# Altium PCB AVALON2_21b.PcbDoc (part 7 of 7)
Units mil, origin at the board's own origin, x right, y up, seen from the top; angles counter-clockwise.
Board outline 5250 x 3000 mil, 4 copper layers (Top Layer, Mid-Layer 1, Mid-Layer 2, Bottom Layer); 460 components, 80 nets, 2011 pads, 1492 vias.
Unrouted connection lines stored in the file: 78.
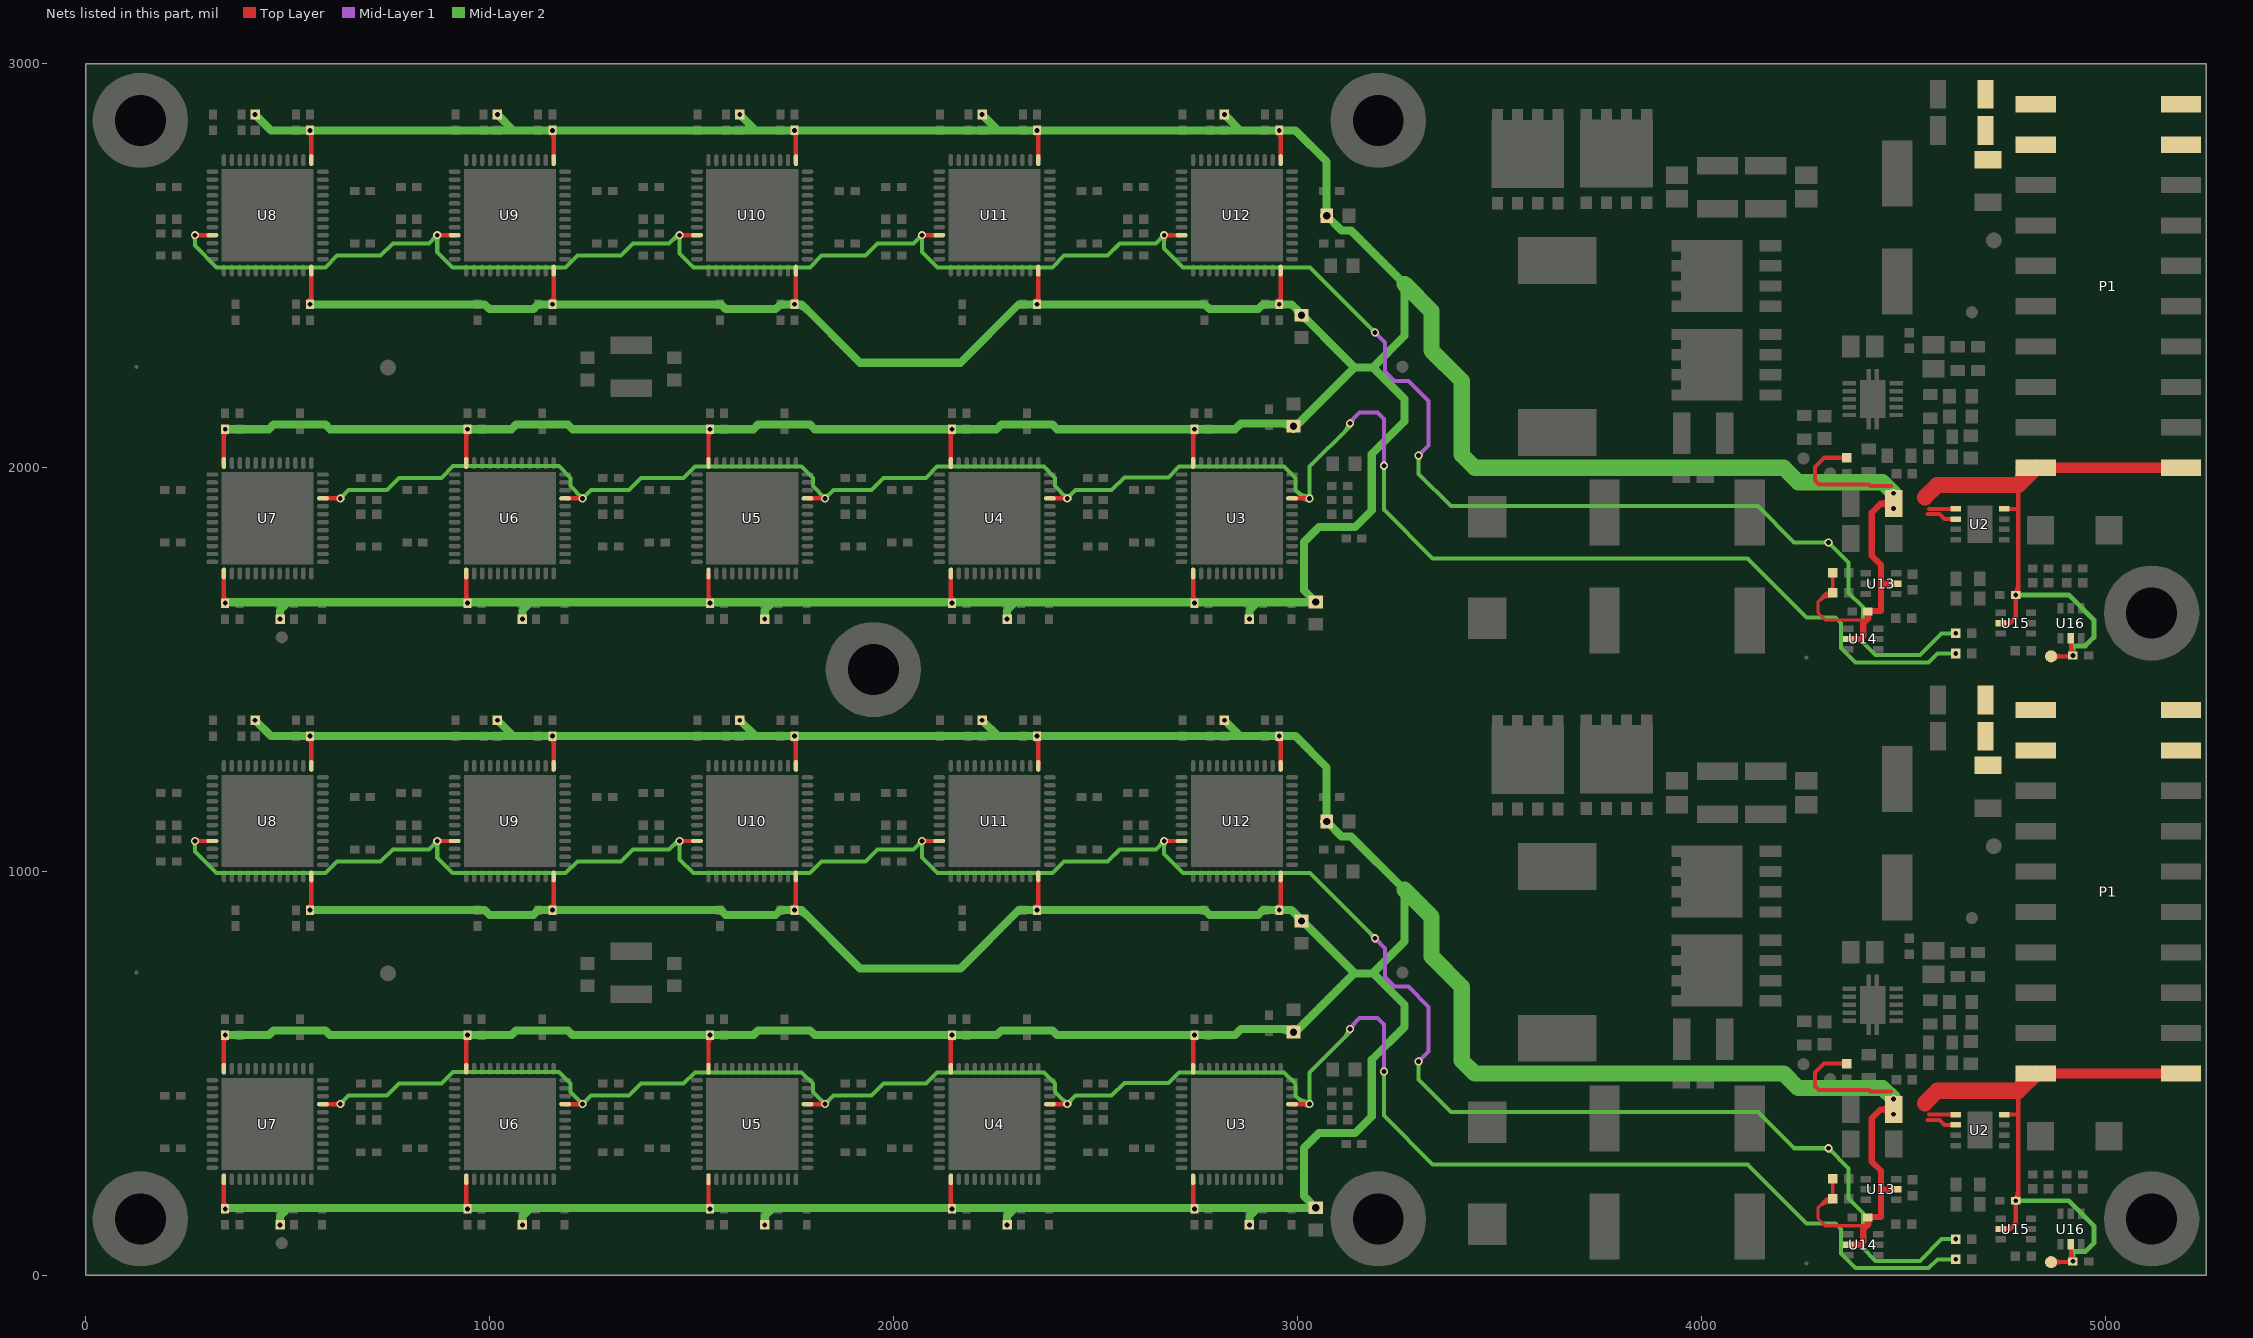
[diagram p9: the nets of this part, all layers, seen from the top]

## Via types
v1: diameter 32, hole 18, Top Layer to Bottom Layer, tented both sides, 846 vias
v2: diameter 20, hole 12, Top Layer to Bottom Layer, tented both sides, 458 vias
v3: diameter 20, hole 12, Top Layer to Bottom Layer, tented bottom, 154 vias
v4: diameter 50, hole 20, Top Layer to Bottom Layer, tented both sides, 16 vias
v5: diameter 23.62, hole 11.81, Top Layer to Bottom Layer, tented bottom, 10 vias
v6: diameter 25.98, hole 12.99, Top Layer to Bottom Layer, tented top, 4 vias
v7: diameter 20, hole 12, Top Layer to Bottom Layer, 4 vias

## Nets (pads, with @x,y where several pads share a name; then routed paths per layer and width w, separated by ;. In a path a pad name is that pad's centre, name@x,y a point inside that pad or via, vN(x,y) a via of type N, cw(c..) or ccw(c..) an arc to the next point about the centre after c; other vN are vias at no path point) (continued)
VCC3V3: 3P3V.1 C21.1 C34.2 C35.2 C36.2 C37.2 C60.2 C63.2 C66.2 C69.2 C82.2 C83.2 C84.2 C85.2 C108.2 C111.2 C114.2 C117.2 C124.2 C125.2 C126.2 C132.1 C137.1 C142.2 C145.2 C147.2 C148.2 C149.2 C150.2 P1.1 P1.2 R3.2 R12.2 R13.2 R14.2 R15.2 R16.2 R17.2 R18.2 R19.2 R20.2 R21.2 R23.2 R24.2 U2.1 U2.2 U2.8 U3.24 U3.37 U4.24 U4.37 U5.24 U5.37 U6.24 U6.37 U7.24 U7.37 U8.24 U8.37 U9.24 U9.37 U10.24 U10.37 U11.24 U11.37 U12.24 U12.37 U13.5 U14.5 U15.5 U16.5 | length 40770.8
  Top Layer w8: 4302.01,181.01 cw(c4324.22,158.8) R24.2@4325.32,190.19 ; 4302.01,1681.01 cw(c4324.22,1658.8) R24.2@4325.32,1690.19 ; R24.2@4318.75,185.77 ccw(c4311,180.79) 4311,190 ; R24.2@4318.75,194.23 cw(c4311,199.21) 4311,190 ; R24.2@4318.75,1685.77 ccw(c4311,1680.79) 4311,1690 ; R24.2@4318.75,1694.23 cw(c4311,1699.21) 4311,1690 ; R24.2@4319.79,195.52 ccw(c4306.46,208.86) 4325.31,208.86 ccw(c4344.17,208.86) R24.2@4330.84,195.52 ; R23.2@4319.79,234.48 cw(c4306.46,221.14) 4325.31,221.14 cw(c4344.17,221.14) R23.2@4330.84,234.48 ; R24.2@4319.79,1695.52 ccw(c4306.46,1708.86) 4325.31,1708.86 ccw(c4344.17,1708.86) R24.2@4330.84,1695.52 ; R23.2@4319.79,1734.48 cw(c4306.46,1721.14) 4325.31,1721.14 cw(c4344.17,1721.14) R23.2@4330.84,1734.48 ; R24.2@4325.04,182.19 ccw(c4323.34,133.67) 4289,168 ; R24.2@4325.04,1682.19 ccw(c4323.34,1633.67) 4289,1668 ; R23.2@4325.31,240 R24.2@4325.31,190 4311,190 ; R23.2@4325.31,1740 R24.2@4325.31,1690 4311,1690 ; 4410,123 4307,123 4289,141 4289,168 ; 4410,1623 4307,1623 4289,1641 4289,1668 ; 4289,168 4311,190 ; 4289,1668 4311,1690
  Top Layer w10: R3.2@4355.18,519.87 ccw(c4343.56,508.24) 4343.56,524.69 ccw(c4343.56,541.13) R3.2@4355.18,529.5 ; R3.2@4355.18,2019.87 ccw(c4343.56,2008.24) 4343.56,2024.69 ccw(c4343.56,2041.13) R3.2@4355.18,2029.5 ; R3.2@4360,524.69 4303.69,524.69 4281,502 4281,469 4291,459 4415,459 4419,455 4470,455 ; R3.2@4360,2024.69 4303.69,2024.69 4281,2002 4281,1969 4291,1959 4415,1959 4419,1955 4470,1955 ; 4560,385 4590,385 4602.2,372.8 U2.2@4629.96,372.8 ; 4560,1885 4590,1885 4602.2,1872.8 U2.2@4629.96,1872.8 ; 4563.39,398.39 U2.1@4629.96,398.39 ; 4563.39,1898.39 U2.1@4629.96,1898.39 ; U2.8@4750.04,398.39 4783.39,398.39 ; U2.8@4750.04,1898.39 4783.39,1898.39 ; 3P3V.1@4866,33 4918.32,33 v2(4920.31,35) 4915,40.31 U16.5@4915,77.6 ; 3P3V.1@4866,1533 4918.32,1533 v2(4920.31,1535) 4915,1540.31 U16.5@4915,1577.6 ; 3P3V.1@4873.07,25.93 cw(c4890.14,8.86) 4890.14,33 cw(c4890.14,57.14) 3P3V.1@4873.07,40.07 ; 3P3V.1@4873.07,1525.93 cw(c4890.14,1508.86) 4890.14,1533 cw(c4890.14,1557.14) 3P3V.1@4873.07,1540.07 ; 4901.83,33 ccw(c4901.83,51.52) C126.2@4914.92,38.42 ; 4901.83,1533 ccw(c4901.83,1551.52) C126.2@4914.92,1538.42 ; 4903.42,33 ccw(c4903.42,51.9) C126.2@4916.78,38.54 ; 4903.42,1533 ccw(c4903.42,1551.9) C126.2@4916.78,1538.54 ; 4915,54.77 ccw(c4938.12,54.77) C126.2@4921.77,38.42 ; 4915,59.9 ccw(c4945.22,59.9) C126.2@4923.85,38.54 ; 4915,1554.77 ccw(c4938.12,1554.77) C126.2@4921.77,1538.42 ; 4915,1559.9 ccw(c4945.22,1559.9) C126.2@4923.85,1538.54 ; C126.2@4916.22,37.88 ccw(c4909.06,42.92) 4916.65,47.3 ; C126.2@4916.22,1537.88 ccw(c4909.06,1542.92) 4916.65,1547.3
  Top Layer w11: C82.2@341.73,157.95 C82.2@341.73,167.95 ; 341.73,183.44 ccw(c363.75,183.44) C82.2@348.18,167.87 ; 341.73,185.03 ccw(c363.37,185.03) C82.2@348.07,169.72 ; U7.37@341.73,236.22 C82.2@341.73,167.95 ; U7.24@341.73,513.78 C108.2@341.73,602.05 ; 341.73,574.97 cw(c363.37,574.97) C108.2@348.07,590.28 ; 341.73,576.56 cw(c363.75,576.56) C108.2@348.18,592.13 ; C82.2@341.73,1657.95 C82.2@341.73,1667.95 ; 341.73,1683.44 ccw(c363.75,1683.44) C82.2@348.18,1667.87 ; 341.73,1685.03 ccw(c363.37,1685.03) C82.2@348.07,1669.72 ; U7.37@341.73,1736.22 C82.2@341.73,1667.95 ; U7.24@341.73,2013.78 C108.2@341.73,2102.05 ; 341.73,2074.97 cw(c363.37,2074.97) C108.2@348.07,2090.28 ; 341.73,2076.56 cw(c363.75,2076.56) C108.2@348.18,2092.13 ; C82.2@342.26,168.25 ccw(c338.22,173.52) 343.96,176.84 ; C108.2@342.26,591.75 cw(c338.22,586.48) 343.96,583.16 ; C82.2@342.26,1668.25 ccw(c338.22,1673.52) 343.96,1676.84 ; C108.2@342.26,2091.75 cw(c338.22,2086.48) 343.96,2083.16 ; v2(345,164.69) C82.2@341.73,167.95 ; v2(345,1664.69) C82.2@341.73,1667.95 ; C111.2@551.82,907.87 ccw(c536.25,923.44) 558.27,923.44 ; C83.2@551.82,1332.13 cw(c536.25,1316.56) 558.27,1316.56 ; C111.2@551.82,2407.87 ccw(c536.25,2423.44) 558.27,2423.44 ; C83.2@551.82,2832.13 cw(c536.25,2816.56) 558.27,2816.56 ; C111.2@551.93,909.72 ccw(c536.63,925.03) 558.27,925.03 ; C83.2@551.93,1330.28 cw(c536.63,1314.97) 558.27,1314.97 ; C111.2@551.93,2409.72 ccw(c536.63,2425.03) 558.27,2425.03 ; C83.2@551.93,2830.28 cw(c536.63,2814.97) 558.27,2814.97 ; v2(555,1335.31) 558.27,1332.05 U8.37@558.27,1263.78 ; v2(555,2835.31) 558.27,2832.05 U8.37@558.27,2763.78 ; 556.04,916.84 ccw(c561.78,913.52) C111.2@557.74,908.25 ; 556.04,1323.16 cw(c561.78,1326.48) C83.2@557.74,1331.75 ; 556.04,2416.84 ccw(c561.78,2413.52) C111.2@557.74,2408.25 ; 556.04,2823.16 cw(c561.78,2826.48) C83.2@557.74,2831.75 ; C111.2@558.27,904.68 U8.24@558.27,986.22 ; C111.2@558.27,2404.68 U8.24@558.27,2486.22 ; C37.2@941.73,157.95 C37.2@941.73,167.95 ; 941.73,183.44 ccw(c963.75,183.44) C37.2@948.18,167.87 ; 941.73,185.03 ccw(c963.37,185.03) C37.2@948.07,169.72 ; U6.37@941.73,236.22 C37.2@941.73,167.95 ; U6.24@941.73,511.81 C69.2@941.73,595.32 ; 941.73,574.97 cw(c963.37,574.97) C69.2@948.07,590.28 ; 941.73,576.56 cw(c963.75,576.56) C69.2@948.18,592.13 ; C37.2@941.73,1657.95 C37.2@941.73,1667.95 ; 941.73,1683.44 ccw(c963.75,1683.44) C37.2@948.18,1667.87 ; 941.73,1685.03 ccw(c963.37,1685.03) C37.2@948.07,1669.72 ; U6.37@941.73,1736.22 C37.2@941.73,1667.95 ; U6.24@941.73,2011.81 C69.2@941.73,2095.32 ; 941.73,2074.97 cw(c963.37,2074.97) C69.2@948.07,2090.28 ; 941.73,2076.56 cw(c963.75,2076.56) C69.2@948.18,2092.13 ; C37.2@942.26,168.25 ccw(c938.22,173.52) 943.96,176.84 ; C69.2@942.26,591.75 cw(c938.22,586.48) 943.96,583.16 ; C37.2@942.26,1668.25 ccw(c938.22,1673.52) 943.96,1676.84 ; C69.2@942.26,2091.75 cw(c938.22,2086.48) 943.96,2083.16 ; v2(945,164.69) C37.2@941.73,167.95 ; v2(945,1664.69) C37.2@941.73,1667.95 ; C114.2@1151.82,907.87 ccw(c1136.25,923.44) 1158.27,923.44 ; C84.2@1151.82,1332.13 cw(c1136.25,1316.56) 1158.27,1316.56 ; C114.2@1151.82,2407.87 ccw(c1136.25,2423.44) 1158.27,2423.44 ; C84.2@1151.82,2832.13 cw(c1136.25,2816.56) 1158.27,2816.56 ; C114.2@1151.93,909.72 ccw(c1136.63,925.03) 1158.27,925.03 ; C84.2@1151.93,1330.28 cw(c1136.63,1314.97) 1158.27,1314.97 ; C114.2@1151.93,2409.72 ccw(c1136.63,2425.03) 1158.27,2425.03 ; C84.2@1151.93,2830.28 cw(c1136.63,2814.97) 1158.27,2814.97 ; v2(1155,1335.31) 1158.27,1332.05 U9.37@1158.27,1263.78 ; v2(1155,2835.31) 1158.27,2832.05 U9.37@1158.27,2763.78 ; 1156.04,916.84 ccw(c1161.78,913.52) C114.2@1157.74,908.25 ; 1156.04,1323.16 cw(c1161.78,1326.48) C84.2@1157.74,1331.75 ; 1156.04,2416.84 ccw(c1161.78,2413.52) C114.2@1157.74,2408.25 ; 1156.04,2823.16 cw(c1161.78,2826.48) C84.2@1157.74,2831.75 ; C114.2@1158.27,904.69 U9.24@1158.27,988.19 ; C114.2@1158.27,2404.69 U9.24@1158.27,2488.19 ; C36.2@1541.73,157.95 C36.2@1541.73,167.95 ; 1541.73,183.44 ccw(c1563.75,183.44) C36.2@1548.18,167.87 ; 1541.73,185.03 ccw(c1563.37,185.03) C36.2@1548.07,169.72 ; U5.37@1541.73,236.22 C36.2@1541.73,167.95 ; U5.24@1541.73,511.81 C66.2@1541.73,595.32 ; 1541.73,574.97 cw(c1563.37,574.97) C66.2@1548.07,590.28 ; 1541.73,576.56 cw(c1563.75,576.56) C66.2@1548.18,592.13 ; C36.2@1541.73,1657.95 C36.2@1541.73,1667.95 ; 1541.73,1683.44 ccw(c1563.75,1683.44) C36.2@1548.18,1667.87 ; 1541.73,1685.03 ccw(c1563.37,1685.03) C36.2@1548.07,1669.72 ; U5.37@1541.73,1736.22 C36.2@1541.73,1667.95 ; U5.24@1541.73,2011.81 C66.2@1541.73,2095.32 ; 1541.73,2074.97 cw(c1563.37,2074.97) C66.2@1548.07,2090.28 ; 1541.73,2076.56 cw(c1563.75,2076.56) C66.2@1548.18,2092.13 ; C36.2@1542.26,168.25 ccw(c1538.22,173.52) 1543.96,176.84 ; C66.2@1542.26,591.75 cw(c1538.22,586.48) 1543.96,583.16 ; C36.2@1542.26,1668.25 ccw(c1538.22,1673.52) 1543.96,1676.84 ; C66.2@1542.26,2091.75 cw(c1538.22,2086.48) 1543.96,2083.16 ; v2(1545,164.69) C36.2@1541.73,167.95 ; v2(1545,1664.69) C36.2@1541.73,1667.95 ; C117.2@1751.82,907.87 ccw(c1736.25,923.44) 1758.27,923.44 ; C85.2@1751.82,1332.13 cw(c1736.25,1316.56) 1758.27,1316.56 ; C117.2@1751.82,2407.87 ccw(c1736.25,2423.44) 1758.27,2423.44 ; C85.2@1751.82,2832.13 cw(c1736.25,2816.56) 1758.27,2816.56 ; C117.2@1751.93,909.72 ccw(c1736.63,925.03) 1758.27,925.03 ; C85.2@1751.93,1330.28 cw(c1736.63,1314.97) 1758.27,1314.97 ; C117.2@1751.93,2409.72 ccw(c1736.63,2425.03) 1758.27,2425.03 ; C85.2@1751.93,2830.28 cw(c1736.63,2814.97) 1758.27,2814.97 ; v2(1755,1335.31) 1758.27,1332.05 U10.37@1758.27,1263.78 ; v2(1755,2835.31) 1758.27,2832.05 U10.37@1758.27,2763.78 ; 1756.04,916.84 ccw(c1761.78,913.52) C117.2@1757.74,908.25 ; 1756.04,1323.16 cw(c1761.78,1326.48) C85.2@1757.74,1331.75 ; 1756.04,2416.84 ccw(c1761.78,2413.52) C117.2@1757.74,2408.25 ; 1756.04,2823.16 cw(c1761.78,2826.48) C85.2@1757.74,2831.75 ; C117.2@1758.27,904.69 U10.24@1758.27,976.73 ; C117.2@1758.27,2404.69 U10.24@1758.27,2476.73 ; 2141.73,183.44 ccw(c2163.75,183.44) C35.2@2148.18,167.87 ; 2141.73,185.18 ccw(c2163.37,185.18) C35.2@2148.07,169.88 ; U4.37@2141.73,226.72 2141.73,167.95 v2(2145,164.69) ; U4.24@2141.73,511.81 C63.2@2141.73,595.32 ; 2141.73,574.97 cw(c2163.37,574.97) C63.2@2148.07,590.28 ; 2141.73,576.56 cw(c2163.75,576.56) C63.2@2148.18,592.13 ; 2141.73,1683.44 ccw(c2163.75,1683.44) C35.2@2148.18,1667.87 ; 2141.73,1685.18 ccw(c2163.37,1685.18) C35.2@2148.07,1669.88 ; U4.37@2141.73,1726.72 2141.73,1667.95 v2(2145,1664.69) ; U4.24@2141.73,2011.81 C63.2@2141.73,2095.32 ; 2141.73,2074.97 cw(c2163.37,2074.97) C63.2@2148.07,2090.28 ; 2141.73,2076.56 cw(c2163.75,2076.56) C63.2@2148.18,2092.13 ; C35.2@2142.26,168.25 ccw(c2138.16,173.59) 2143.99,176.95 ; C63.2@2142.26,591.75 cw(c2138.22,586.48) 2143.96,583.16 ; C35.2@2142.26,1668.25 ccw(c2138.16,1673.59) 2143.99,1676.95 ; C63.2@2142.26,2091.75 cw(c2138.22,2086.48) 2143.96,2083.16 ; C142.2@2351.82,907.87 ccw(c2336.25,923.44) 2358.27,923.44 ; C124.2@2351.82,1332.13 cw(c2336.25,1316.56) 2358.27,1316.56 ; C142.2@2351.82,2407.87 ccw(c2336.25,2423.44) 2358.27,2423.44 ; C124.2@2351.82,2832.13 cw(c2336.25,2816.56) 2358.27,2816.56 ; C142.2@2351.93,909.72 ccw(c2336.63,925.03) 2358.27,925.03 ; C124.2@2351.93,1330.28 cw(c2336.63,1314.97) 2358.27,1314.97 ; C142.2@2351.93,2409.72 ccw(c2336.63,2425.03) 2358.27,2425.03 ; C124.2@2351.93,2830.28 cw(c2336.63,2814.97) 2358.27,2814.97 ; v2(2355,1335.31) 2358.27,1332.05 U11.37@2358.27,1263.78 ; v2(2355,2835.31) 2358.27,2832.05 U11.37@2358.27,2763.78 ; 2356.04,916.84 ccw(c2361.78,913.52) C142.2@2357.74,908.25 ; 2356.04,1323.16 cw(c2361.78,1326.48) C124.2@2357.74,1331.75 ; 2356.04,2416.84 ccw(c2361.78,2413.52) C142.2@2357.74,2408.25 ; 2356.04,2823.16 cw(c2361.78,2826.48) C124.2@2357.74,2831.75 ; C142.2@2358.27,904.69 U11.24@2358.27,976.73 ; C142.2@2358.27,2404.69 U11.24@2358.27,2476.73 ; C34.2@2741.73,157.95 C34.2@2741.73,167.95 ; 2741.73,183.44 ccw(c2763.75,183.44) C34.2@2748.18,167.87 ; 2741.73,185.03 ccw(c2763.37,185.03) C34.2@2748.07,169.72 ; U3.37@2741.73,236.22 C34.2@2741.73,167.95 ; U3.24@2741.73,511.81 C60.2@2741.73,595.31 ; 2741.73,574.97 cw(c2763.37,574.97) C60.2@2748.07,590.28 ; 2741.73,576.56 cw(c2763.75,576.56) C60.2@2748.18,592.13 ; C34.2@2741.73,1657.95 C34.2@2741.73,1667.95 ; 2741.73,1683.44 ccw(c2763.75,1683.44) C34.2@2748.18,1667.87 ; 2741.73,1685.03 ccw(c2763.37,1685.03) C34.2@2748.07,1669.72 ; U3.37@2741.73,1736.22 C34.2@2741.73,1667.95 ; U3.24@2741.73,2011.81 C60.2@2741.73,2095.31 ; 2741.73,2074.97 cw(c2763.37,2074.97) C60.2@2748.07,2090.28 ; 2741.73,2076.56 cw(c2763.75,2076.56) C60.2@2748.18,2092.13 ; C34.2@2742.26,168.25 ccw(c2738.22,173.52) 2743.96,176.84 ; C60.2@2742.26,591.75 cw(c2738.22,586.48) 2743.96,583.16 ; C34.2@2742.26,1668.25 ccw(c2738.22,1673.52) 2743.96,1676.84 ; C60.2@2742.26,2091.75 cw(c2738.22,2086.48) 2743.96,2083.16 ; v2(2745,164.69) C34.2@2741.73,167.95 ; v2(2745,1664.69) C34.2@2741.73,1667.95 ; C145.2@2951.82,907.87 ccw(c2936.25,923.44) 2958.27,923.44 ; C125.2@2951.82,1332.13 cw(c2936.25,1316.56) 2958.27,1316.56 ; C145.2@2951.82,2407.87 ccw(c2936.25,2423.44) 2958.27,2423.44 ; C125.2@2951.82,2832.13 cw(c2936.25,2816.56) 2958.27,2816.56 ; C145.2@2951.93,909.72 ccw(c2936.63,925.03) 2958.27,925.03 ; C125.2@2951.93,1330.28 cw(c2936.63,1314.97) 2958.27,1314.97 ; C145.2@2951.93,2409.72 ccw(c2936.63,2425.03) 2958.27,2425.03 ; C125.2@2951.93,2830.28 cw(c2936.63,2814.97) 2958.27,2814.97 ; v2(2955,1335.31) C125.2@2958.27,1332.05 ; v2(2955,2835.31) C125.2@2958.27,2832.05 ; 2956.04,916.84 ccw(c2961.78,913.52) C145.2@2957.74,908.25 ; 2956.04,1323.16 cw(c2961.78,1326.48) C125.2@2957.74,1331.75 ; 2956.04,2416.84 ccw(c2961.78,2413.52) C145.2@2957.74,2408.25 ; 2956.04,2823.16 cw(c2961.78,2826.48) C125.2@2957.74,2831.75 ; C145.2@2958.27,904.69 U12.24@2958.27,976.73 ; U12.37@2958.27,1263.78 C125.2@2958.27,1332.05 ; C125.2@2958.27,1335.31 C125.2@2958.27,1332.05 ; C145.2@2958.27,2404.69 U12.24@2958.27,2476.73 ; U12.37@2958.27,2763.78 C125.2@2958.27,2832.05 ; C125.2@2958.27,2835.31 C125.2@2958.27,2832.05
  Top Layer w12: U15.5@4741.6,115 4764,115 4778.68,129.68 v2(4778.68,185) 4785,191.31 4785,457.17 ; U15.5@4741.6,1615 4764,1615 4778.68,1629.68 v2(4778.68,1685) 4785,1691.31 4785,1957.17 ; C137.1@4775.86,187.83 ccw(c4753.78,209.9) 4785,209.9 ; C137.1@4775.86,1687.83 ccw(c4753.78,1709.9) 4785,1709.9 ; C137.1@4777.94,187.72 ccw(c4760.88,204.77) 4785,204.77 ; C137.1@4777.94,1687.72 ccw(c4760.88,1704.77) 4785,1704.77 ; C137.1@4782.48,186.28 cw(c4795.49,190.66) 4783.6,197.52 ; C137.1@4782.48,1686.28 cw(c4795.49,1690.66) 4783.6,1697.52
  Top Layer w15: U14.5@4363.6,76 4394,76 4401,83 4401,114 4410,123 4413.69,126.69 4413.69,145 4445.32,145 4445.32,203.32 ; U14.5@4363.6,1576 4394,1576 4401,1583 4401,1614 4410,1623 4413.69,1626.69 4413.69,1645 4445.32,1645 4445.32,1703.32 ; C21.1@4465.71,401.44 ccw(c4444,381.57) 4444,411 ; C21.1@4465.71,420.56 cw(c4444,440.43) 4444,411 ; C21.1@4465.71,1901.44 ccw(c4444,1881.57) 4444,1911 ; C21.1@4465.71,1920.56 cw(c4444,1940.43) 4444,1911 ; C21.1@4474.12,397.35 ccw(c4444,370.94) 4444,411 ; C21.1@4474.12,1897.35 ccw(c4444,1870.94) 4444,1911 ; C21.1@4476.15,411 4444,411 ; C21.1@4476.15,1911 4444,1911 ; U13.5@4482.4,213 4455,213 4445.32,203.32 ; U13.5@4482.4,1713 4455,1713 4445.32,1703.32 ; 4444,411 4422,389 4422,282 4445.32,258.68 4445.32,203.32 ; 4444,1911 4422,1889 4422,1782 4445.32,1758.68 4445.32,1703.32
  Top Layer w25: P1.2@4827.83,500 P1.1@5155,500 ; P1.2@4827.83,2000 P1.1@5155,2000
  Top Layer w40: 4553.5,426.5 4584.17,457.17 4785,457.17 ; 4553.5,1926.5 4584.17,1957.17 4785,1957.17 ; P1.2@4797.95,499.98 cw(c4751.5,490.67) 4785,457.17 ; P1.2@4797.95,1999.98 cw(c4751.5,1990.67) 4785,1957.17 ; P1.2@4827.83,500 4785,457.17 ; P1.2@4827.83,2000 4785,1957.17
  Mid-Layer 2 w12: v2(4778.68,185) 4910,185 4972,123 4972,80.06 4950.94,59 4922,59 4920.31,57.31 v2(4920.31,35) ; v2(4778.68,1685) 4910,1685 4972,1623 4972,1580.06 4950.94,1559 4922,1559 4920.31,1557.31 v2(4920.31,1535)
  Mid-Layer 2 w20: v2(345,595.32) 453.07,595.32 464.44,606.69 593.31,606.69 604.68,595.32 v2(945,595.32) 1053.7,595.32 1065.07,606.69 1193.31,606.69 1204.68,595.32 v2(1545,595.32) 1653.07,595.32 1664.44,606.69 1741.6,606.69 1741.91,607 1793,607 1804.68,595.32 v2(2145,595.32) 2255.32,595.32 2266.69,606.69 2393.31,606.69 2404.69,595.31 v2(2745,595.31) 2845.31,595.31 2859.89,609.89 3003,609.89 3141.61,748.5 ; v2(345,2095.32) 453.07,2095.32 464.44,2106.69 593.31,2106.69 604.68,2095.32 v2(945,2095.32) 1053.7,2095.32 1065.07,2106.69 1193.31,2106.69 1204.68,2095.32 v2(1545,2095.32) 1653.07,2095.32 1664.44,2106.69 1741.6,2106.69 1741.91,2107 1793,2107 1804.68,2095.32 v2(2145,2095.32) 2255.32,2095.32 2266.69,2106.69 2393.31,2106.69 2404.69,2095.31 v2(2745,2095.31) 2845.31,2095.31 2859.89,2109.89 3003,2109.89 3141.61,2248.5 ; v2@347.31,167 1701,167 ; v2@347.31,1667 1701,1667 ; v2(419,1374.69) 458.37,1335.31 1058.37,1335.31 ; v2(419,2874.69) 458.37,2835.31 1058.37,2835.31 ; v2(481,125.32) 481,147 501,167 ; v2(481,1625.32) 481,1647 501,1667 ; v2(555,904.68) 987.31,904.68 999,893 1108.09,893 1119.77,904.69 v2(1155,904.69) 1572.31,904.69 1584,893 1708.09,893 1719.77,904.69 v2(1755,904.69) ; v2(555,2404.68) 987.31,2404.68 999,2393 1108.09,2393 1119.77,2404.69 v2(1155,2404.69) 1572.31,2404.69 1584,2393 1708.09,2393 1719.77,2404.69 v2(1755,2404.69) ; v2(1019,1374.69) 1058.37,1335.31 ; v2(1019,2874.69) 1058.37,2835.31 ; v2(1081,125.32) 1081,147 1101,167 ; v2(1081,1625.32) 1081,1647 1101,1667 ; v2(1619,1374.69) 1658.37,1335.31 ; v2(1619,2874.69) 1658.37,2835.31 ; v2(1681,125.31) 1681,147 1701,167 ; v2(1681,1625.31) 1681,1647 1701,1667 ; 1784.87,892.31 ccw(c1755,862.44) v2(1755,904.69) ; 1784.87,2392.31 ccw(c1755,2362.44) v2(1755,2404.69) ; v2(2219,1374.69) 2258.37,1335.31 ; v2(2219,2874.69) 2258.37,2835.31 ; v2(2281,125.32) 2281,147 2301,167 ; v2(2281,1625.32) 2281,1647 2301,1667 ; v2(2819,1374.69) 2858.37,1335.31 ; v2(2819,2874.69) 2858.37,2835.31 ; v2(2881,125.31) 2881,147 2901,167 ; v2(2881,1625.31) 2881,1647 2901,1667 ; 2957.53,609.89 cw(c2957.53,569.97) v1@2985.76,598.2 ; 2957.53,2109.89 cw(c2957.53,2069.97) v1@2985.76,2098.2 ; v1@2990,608.44 ccw(c2990,636.33) 3009.72,616.61 ; v1@2990,2108.44 ccw(c2990,2136.33) 3009.72,2116.61 ; 2997.95,892.16 cw(c2983.36,877.56) v1@3004,877.56 ; 2997.95,2392.16 cw(c2983.36,2377.56) v1@3004,2377.56 ; v1@3010,871.56 cw(c3010,850.92) 3024.6,865.51 ; v1@3010,2371.56 cw(c3010,2350.92) 3024.6,2365.51 ; 1058.37,1335.31 1658.37,1335.31 ; 1058.37,2835.31 1658.37,2835.31 ; 1658.37,1335.31 2258.37,1335.31 ; 1658.37,2835.31 2258.37,2835.31 ; 1701,167 2901,167 ; 1701,1667 2901,1667 ; v2(1755,904.69) 1772.5,904.69 1917.19,760 2165.31,760 2310,904.69 v2(2355,904.69) 2770.23,904.69 2781.91,893 2903,893 2914.69,904.69 v2(2955,904.69) 2985.42,904.69 3141.61,748.5 ; v2(1755,2404.69) 1772.5,2404.69 1917.19,2260 2165.31,2260 2310,2404.69 v2(2355,2404.69) 2770.23,2404.69 2781.91,2393 2903,2393 2914.69,2404.69 v2(2955,2404.69) 2985.42,2404.69 3141.61,2248.5 ; 2258.37,1335.31 2858.37,1335.31 ; 2258.37,2835.31 2858.37,2835.31 ; 2858.37,1335.31 2995,1335.31 3072.44,1257.87 v1(3072.44,1124) 3109.44,1087 3133,1087 3265,955 3265,826.75 3186.75,748.5 ; 2858.37,2835.31 2995,2835.31 3072.44,2757.87 v1(3072.44,2624) 3109.44,2587 3133,2587 3265,2455 3265,2326.75 3186.75,2248.5 ; 2901,167 3044.44,167 v1(3045,167.56) 3016,196.56 3016,316 3053,353 3143,353 3184,394 3184,534 3265,615 3265,670.25 3186.75,748.5 ; 2901,1667 3044.44,1667 v1(3045,1667.56) 3016,1696.56 3016,1816 3053,1853 3143,1853 3184,1894 3184,2034 3265,2115 3265,2170.25 3186.75,2248.5 ; 3141.61,748.5 3142.11,748 3186.25,748 3186.75,748.5 ; 3141.61,2248.5 3142.11,2248 3186.25,2248 3186.75,2248.5
  Mid-Layer 2 w40: 3265,955 3332,888 3332,790 3407,715 3407,532 3439,500 4204,500 4240,464 4449,464 v2(4476,437) v2(4476,399) ; 3265,2455 3332,2388 3332,2290 3407,2215 3407,2032 3439,2000 4204,2000 4240,1964 4449,1964 v2(4476,1937) v2(4476,1899)
  other v1: 2990,602.44 3010,877.56 2990,2102.44 3010,2377.56
VCC12V: C4.2 FB1.2 FB2.2 P1.17 P1.18 P1.19 P1.20
XCLK1: R26.1 U3.9 U4.9 U5.9 U6.9 U7.9 | length 10996.6
  Top Layer w11: U7.9@588.78,424.21 v3(630,424.21) ; U7.9@588.78,1924.21 v3(630,1924.21) ; v3@626.82,421.03 ccw(c619.14,413.35) 619.14,424.21 ccw(c619.14,435.08) v3@626.82,427.39 ; v3@626.82,1921.03 ccw(c619.14,1913.35) 619.14,1924.21 ccw(c619.14,1935.08) v3@626.82,1927.39 ; U6.9@1188.78,424.21 v3(1230,424.21) ; U6.9@1188.78,1924.21 v3(1230,1924.21) ; v3@1226.82,421.03 ccw(c1219.14,413.35) 1219.14,424.21 ccw(c1219.14,435.08) v3@1226.82,427.39 ; v3@1226.82,1921.03 ccw(c1219.14,1913.35) 1219.14,1924.21 ccw(c1219.14,1935.08) v3@1226.82,1927.39 ; U5.9@1788.78,424.21 v3(1830,424.21) ; U5.9@1788.78,1924.21 v3(1830,1924.21) ; v3@1826.82,421.03 ccw(c1819.14,413.35) 1819.14,424.21 ccw(c1819.14,435.08) v3@1826.82,427.39 ; v3@1826.82,1921.03 ccw(c1819.14,1913.35) 1819.14,1924.21 ccw(c1819.14,1935.08) v3@1826.82,1927.39 ; U4.9@2388.78,424.21 v3(2430,424.21) ; U4.9@2388.78,1924.21 v3(2430,1924.21) ; v3@2426.82,421.03 ccw(c2419.14,413.35) 2419.14,424.21 ccw(c2419.14,435.08) v3@2426.82,427.39 ; v3@2426.82,1921.03 ccw(c2419.14,1913.35) 2419.14,1924.21 ccw(c2419.14,1935.08) v3@2426.82,1927.39 ; U3.9@2988.78,424.21 v3(3030,424.21) ; U3.9@2988.78,1924.21 v3(3030,1924.21) ; v3@3026.82,421.03 ccw(c3019.14,413.35) 3019.14,424.21 ccw(c3019.14,435.08) v3@3026.82,427.39 ; v3@3026.82,1921.03 ccw(c3019.14,1913.35) 3019.14,1924.21 ccw(c3019.14,1935.08) v3@3026.82,1927.39
  Mid-Layer 1 w10: v2@3130,613.18 3153.82,637 3198.18,637 3214,621.18 v2(3214,505) ; v2@3130,2113.18 3153.82,2137 3198.18,2137 3214,2121.18 v2(3214,2005) ; v2@3135,610 cw(c3154.76,610) 3140.79,623.97 ; v2@3135,2110 cw(c3154.76,2110) 3140.79,2123.97 ; v2@3210.46,508.54 ccw(c3201.93,517.07) 3214,517.07 ccw(c3226.07,517.07) v2@3217.54,508.54 ; v2@3210.46,2008.54 ccw(c3201.93,2017.07) 3214,2017.07 ccw(c3226.07,2017.07) v2@3217.54,2008.54
  Mid-Layer 2 w10: v3(630,424.21) 650.79,445 745,445 775,475 880,475 909,504 1171,504 1200,475 1200,454.21 v3(1230,424.21) 1250.79,445 1345,445 1375,475 1480,475 1508,503 1772,503 1800,475 1800,454.21 v3(1830,424.21) 1850.79,445 1945,445 1975,475 2080,475 2108,503 2372,503 2400,475 2400,454.21 v3(2430,424.21) 2450.79,445 2540,445 2571.38,476.38 2680.61,476.38 2707.24,503 2967,503 2995,475 2995,445 3015.79,424.21 v3(3030,424.21) 3030,502.5 3130,602.5 v2(3130,610) ; v3@630,429.21 ccw(c630,441.28) 638.54,432.75 ccw(c647.07,424.21) v3@635,424.21 ; v3(630,1924.21) 650.79,1945 745,1945 775,1975 880,1975 909,2004 1171,2004 1200,1975 1200,1954.21 v3(1230,1924.21) 1250.79,1945 1345,1945 1375,1975 1480,1975 1508,2003 1772,2003 1800,1975 1800,1954.21 v3(1830,1924.21) 1850.79,1945 1945,1945 1975,1975 2080,1975 2108,2003 2372,2003 2400,1975 2400,1954.21 v3(2430,1924.21) 2450.79,1945 2540,1945 2571.38,1976.38 2680.61,1976.38 2707.24,2003 2967,2003 2995,1975 2995,1945 3015.79,1924.21 v3(3030,1924.21) 3030,2002.5 3130,2102.5 v2(3130,2110) ; v3@630,1929.21 ccw(c630,1941.28) 638.54,1932.75 ccw(c647.07,1924.21) v3@635,1924.21 ; v3@1225,424.21 ccw(c1212.93,424.21) 1221.46,432.75 ccw(c1230,441.28) 1230,429.21 ccw(c1230,441.28) 1238.54,432.75 ccw(c1247.07,424.21) v3@1235,424.21 ; v3@1225,1924.21 ccw(c1212.93,1924.21) 1221.46,1932.75 ccw(c1230,1941.28) 1230,1929.21 ccw(c1230,1941.28) 1238.54,1932.75 ccw(c1247.07,1924.21) v3@1235,1924.21 ; v3@1825,424.21 ccw(c1812.93,424.21) 1821.46,432.75 ccw(c1830,441.28) 1830,429.21 ccw(c1830,441.28) 1838.54,432.75 ccw(c1847.07,424.21) v3@1835,424.21 ; v3@1825,1924.21 ccw(c1812.93,1924.21) 1821.46,1932.75 ccw(c1830,1941.28) 1830,1929.21 ccw(c1830,1941.28) 1838.54,1932.75 ccw(c1847.07,1924.21) v3@1835,1924.21 ; v3@2425,424.21 ccw(c2412.93,424.21) 2421.46,432.75 ccw(c2430,441.28) 2430,429.21 ccw(c2430,441.28) 2438.54,432.75 ccw(c2447.07,424.21) v3@2435,424.21 ; v3@2425,1924.21 ccw(c2412.93,1924.21) 2421.46,1932.75 ccw(c2430,1941.28) 2430,1929.21 ccw(c2430,1941.28) 2438.54,1932.75 ccw(c2447.07,1924.21) v3@2435,1924.21 ; 2997.2,442.8 ccw(c3030,475.6) v3@3030,429.21 ; 2997.2,1942.8 ccw(c3030,1975.6) v3@3030,1929.21 ; 3014.27,425.73 ccw(c3030,441.45) v3@3030,419.21 ; 3014.27,1925.73 ccw(c3030,1941.45) v3@3030,1919.21 ; v3@3026.46,420.68 ccw(c3017.93,412.14) 3017.93,424.21 ccw(c3017.93,436.28) 3026.46,427.75 ccw(c3017.93,436.28) 3030,436.28 ccw(c3042.07,436.28) v3@3033.54,427.75 ; v3@3026.46,1920.68 ccw(c3017.93,1912.14) 3017.93,1924.21 ccw(c3017.93,1936.28) 3026.46,1927.75 ccw(c3017.93,1936.28) 3030,1936.28 ccw(c3042.07,1936.28) v3@3033.54,1927.75 ; 3116.16,588.66 ccw(c3094.82,610) v2@3125,610 ; 3116.16,2088.66 ccw(c3094.82,2110) v2@3125,2110 ; v2@3210.46,501.46 cw(c3201.93,492.93) 3214,492.93 cw(c3226.07,492.93) v2@3217.54,501.46 ; v2@3210.46,2001.46 cw(c3201.93,1992.93) 3214,1992.93 cw(c3226.07,1992.93) v2@3217.54,2001.46 ; v2(3214,505) 3214,396 3335,275 4115,275 4261,129 4332,129 4346,115 4346,54 4382,18 4563,18 4585,40 v2(4630,40) ; v2(3214,2005) 3214,1896 3335,1775 4115,1775 4261,1629 4332,1629 4346,1615 4346,1554 4382,1518 4563,1518 4585,1540 v2(4630,1540) ; v2@4626.46,36.46 ccw(c4617.93,27.93) 4617.93,40 ccw(c4617.93,52.07) v2@4626.46,43.54 ; v2@4626.46,1536.46 ccw(c4617.93,1527.93) 4617.93,1540 ccw(c4617.93,1552.07) v2@4626.46,1543.54
XCLK2: R27.1 U8.9 U9.9 U10.9 U11.9 U12.9 | length 12109.4
  Top Layer w11: v3(270,1075.79) U8.9@311.22,1075.79 ; v3(270,2575.79) U8.9@311.22,2575.79 ; v3@273.18,1072.61 cw(c280.86,1064.92) 280.86,1075.79 cw(c280.86,1086.65) v3@273.18,1078.97 ; v3@273.18,2572.61 cw(c280.86,2564.92) 280.86,2575.79 cw(c280.86,2586.65) v3@273.18,2578.97 ; v3(870,1075.79) U9.9@911.22,1075.79 ; v3(870,2575.79) U9.9@911.22,2575.79 ; v3@873.18,1072.61 cw(c880.86,1064.92) 880.86,1075.79 cw(c880.86,1086.65) v3@873.18,1078.97 ; v3@873.18,2572.61 cw(c880.86,2564.92) 880.86,2575.79 cw(c880.86,2586.65) v3@873.18,2578.97 ; v3(1470,1075.79) U10.9@1511.22,1075.79 ; v3(1470,2575.79) U10.9@1511.22,2575.79 ; v3@1473.18,1072.61 cw(c1480.86,1064.92) 1480.86,1075.79 cw(c1480.86,1086.65) v3@1473.18,1078.97 ; v3@1473.18,2572.61 cw(c1480.86,2564.92) 1480.86,2575.79 cw(c1480.86,2586.65) v3@1473.18,2578.97 ; v3(2070,1075.79) U11.9@2111.22,1075.79 ; v3(2070,2575.79) U11.9@2111.22,2575.79 ; v3@2073.18,1072.61 cw(c2080.86,1064.92) 2080.86,1075.79 cw(c2080.86,1086.65) v3@2073.18,1078.97 ; v3@2073.18,2572.61 cw(c2080.86,2564.92) 2080.86,2575.79 cw(c2080.86,2586.65) v3@2073.18,2578.97 ; v3(2670,1075.79) U12.9@2711.22,1075.79 ; v3(2670,2575.79) U12.9@2711.22,2575.79 ; v3@2673.18,1072.61 cw(c2680.86,1064.92) 2680.86,1075.79 cw(c2680.86,1086.65) v3@2673.18,1078.97 ; v3@2673.18,2572.61 cw(c2680.86,2564.92) 2680.86,2575.79 cw(c2680.86,2586.65) v3@2673.18,2578.97
  Mid-Layer 1 w10: v2@3192,830 cw(c3192,817.93) 3200.54,826.46 cw(c3209.07,835) v2@3197,835 ; v2(3192,835) 3217,810 3217,738.82 3240.82,715 3275,715 3325,665 3325,555 v2(3300,530) ; v2@3192,2330 cw(c3192,2317.93) 3200.54,2326.46 cw(c3209.07,2335) v2@3197,2335 ; v2(3192,2335) 3217,2310 3217,2238.82 3240.82,2215 3275,2215 3325,2165 3325,2055 v2(3300,2030) ; v2@3300,535 ccw(c3300,547.07) 3308.54,538.54 ccw(c3317.07,530) v2@3305,530 ; v2@3300,2035 ccw(c3300,2047.07) 3308.54,2038.54 ccw(c3317.07,2030) v2@3305,2030
  Mid-Layer 2 w10: v3@266.46,1072.25 cw(c257.93,1063.72) 270,1063.72 cw(c282.07,1063.72) v3@273.54,1072.25 ; v3@266.46,2572.25 cw(c257.93,2563.72) 270,2563.72 cw(c282.07,2563.72) v3@273.54,2572.25 ; v3(270,1075.79) 270,1050 324,996 593,996 622,1025 730,1025 760,1055 849.21,1055 v3(870,1075.79) 870,1034.39 908.39,996 1188,996 1217,1025 1325,1025 1355,1055 1444.21,1055 v3@1465,1075.79 ; v3(270,2575.79) 270,2550 324,2496 593,2496 622,2525 730,2525 760,2555 849.21,2555 v3(870,2575.79) 870,2534.39 908.39,2496 1188,2496 1217,2525 1325,2525 1355,2555 1444.21,2555 v3@1465,2575.79 ; v3@865,1075.79 cw(c852.93,1075.79) 861.46,1067.25 cw(c870,1058.72) v3@870,1070.79 ; v3@865,2575.79 cw(c852.93,2575.79) 861.46,2567.25 cw(c870,2558.72) v3@870,2570.79 ; v3@866.46,1072.25 cw(c857.93,1063.72) 870,1063.72 cw(c882.07,1063.72) v3@873.54,1072.25 ; v3@866.46,2572.25 cw(c857.93,2563.72) 870,2563.72 cw(c882.07,2563.72) v3@873.54,2572.25 ; 1452.93,1063.72 cw(c1470,1046.65) v3@1470,1070.79 ; 1452.93,2563.72 cw(c1470,2546.65) v3@1470,2570.79 ; v3@1466.46,1072.25 cw(c1457.93,1063.72) 1470,1063.72 cw(c1482.07,1063.72) v3@1473.54,1072.25 ; v3@1466.46,2572.25 cw(c1457.93,2563.72) 1470,2563.72 cw(c1482.07,2563.72) v3@1473.54,2572.25 ; v3(1470,1075.79) 1470,1030 1504,996 1793,996 1822,1025 1930,1025 1960,1055 2049.21,1055 v3(2070,1075.79) 2070,1055.09 ; v3(1470,2575.79) 1470,2530 1504,2496 1793,2496 1822,2525 1930,2525 1960,2555 2049.21,2555 v3(2070,2575.79) 2070,2555.09 ; v3@2065,1075.79 cw(c2052.93,1075.79) 2061.46,1067.25 cw(c2070,1058.72) v3@2070,1070.79 ; v3@2065,2575.79 cw(c2052.93,2575.79) 2061.46,2567.25 cw(c2070,2558.72) v3@2070,2570.79 ; v3@2066.46,1072.25 cw(c2057.93,1063.72) 2070,1063.72 cw(c2082.07,1063.72) v3@2073.54,1072.25 ; v3@2066.46,2572.25 cw(c2057.93,2563.72) 2070,2563.72 cw(c2082.07,2563.72) v3@2073.54,2572.25 ; 2069.91,1055 2070,1055.09 ; 2069.91,2555 2070,2555.09 ; v3@2665,1075.79 cw(c2652.93,1075.79) 2661.46,1067.25 cw(c2670,1058.72) v3@2670,1070.79 ; v3@2665,2575.79 cw(c2652.93,2575.79) 2661.46,2567.25 cw(c2670,2558.72) v3@2670,2570.79 ; v3@2666.46,1072.25 cw(c2657.93,1063.72) 2670,1063.72 cw(c2682.07,1063.72) v3@2673.54,1072.25 ; v3@2666.46,2572.25 cw(c2657.93,2563.72) 2670,2563.72 cw(c2682.07,2563.72) v3@2673.54,2572.25 ; v2@3187,835 ccw(c3174.93,835) 3183.46,843.54 ccw(c3192,852.07) v2@3192,840 ; v2@3187,2335 ccw(c3174.93,2335) 3183.46,2343.54 ccw(c3192,2352.07) v2@3192,2340 ; v2(3192,835) 3031,996 2717.08,996 2670,1043.08 v3(2670,1075.79) 2649.21,1055 2560,1055 2530,1025 2422,1025 2393,996 2108.39,996 2070,1034.39 2070,1055.09 ; v2(3192,2335) 3031,2496 2717.08,2496 2670,2543.08 v3(2670,2575.79) 2649.21,2555 2560,2555 2530,2525 2422,2525 2393,2496 2108.39,2496 2070,2534.39 2070,2555.09 ; v2@3296.46,526.46 cw(c3287.93,517.93) 3300,517.93 cw(c3312.07,517.93) v2@3303.54,526.46 ; v2@3296.46,2026.46 cw(c3287.93,2017.93) 3300,2017.93 cw(c3312.07,2017.93) v2@3303.54,2026.46 ; v2(3300,530) 3300,485 3380,405 4140,405 4230,315 v3(4315,315) 4365,265 4365,190 4400,155 4400,67.41 4431.41,36 4541,36 4595,90 v2(4630,90) ; v2(3300,2030) 3300,1985 3380,1905 4140,1905 4230,1815 v3(4315,1815) 4365,1765 4365,1690 4400,1655 4400,1567.41 4431.41,1536 4541,1536 4595,1590 v2(4630,1590) ; v3@4311.46,311.46 ccw(c4302.93,302.93) 4302.93,315 ccw(c4302.93,327.07) v3@4311.46,318.54 ; v3@4311.46,1811.46 ccw(c4302.93,1802.93) 4302.93,1815 ccw(c4302.93,1827.07) v3@4311.46,1818.54 ; v3@4315,310 cw(c4315,297.93) 4323.54,306.46 cw(c4332.07,315) v3@4320,315 ; v3@4315,1810 cw(c4315,1797.93) 4323.54,1806.46 cw(c4332.07,1815) v3@4320,1815 ; v2@4626.46,86.46 ccw(c4617.93,77.93) 4617.93,90 ccw(c4617.93,102.07) v2@4626.46,93.54 ; v2@4626.46,1586.46 ccw(c4617.93,1577.93) 4617.93,1590 ccw(c4617.93,1602.07) v2@4626.46,1593.54
pads on no net: MASK1.0 MASK2.0 P1.12 P1.14 TPM1.0 TPM2.0 U2.7 U3.43 U4.43 U5.43 U6.43 U8.43 U9.43 U10.43 U11.43 U12.43

## Polygon pours and split planes (outlines as drawn)
no net on Mid-Layer 2 "NCC2" (solid, pour order 73): 5235,1485 5235,15 15,15 15,1485 5235,1485
GND on Mid-Layer 2 "M2_G1" (solid, pour order 65): 4320,775 4250,775 4235,790 4225,800 4225,1025 4225,1070 4210,1085 4135,1085 4060,1085 4040,1105 4010,1135 4010,1170 4305,1170 4320,1155 4320,775
NetC5_1 on Mid-Layer 2 "M2_NetC5_1" (solid, pour order 63): 3490,1205 4255,1205 4250,1210 4250,1465 3490,1465 3490,1205
GND on Mid-Layer 2 "MG2" (solid, pour order 67): 4390,630 4390,690 4350,730 4290,790 4240,790 4240,870 4420,870 4450,840 4450,630 4390,630
GND on Mid-Layer 2 "MG2" (solid, pour order 66): 4390,2130 4390,2190 4350,2230 4290,2290 4240,2290 4240,2370 4420,2370 4450,2340 4450,2130 4390,2130
NetC5_1 on Mid-Layer 2 "M2_NetC5_1" (solid, pour order 62): 3490,2705 4280,2705 4274.84,2710 4274.84,2965 3490,2965 3490,2705
GND on Mid-Layer 2 "M2_G1" (solid, pour order 64): 4320,2275 4250,2275 4235,2290 4225,2300 4225,2525 4225,2570 4210,2585 4135,2585 4060,2585 4040,2605 4010,2635 4010,2670 4305,2670 4320,2655 4320,2275
no net on Mid-Layer 2 "NCC" (solid, pour order 68): 0,3000 0,1500 5250,1500 5250,3000 0,3000
GND on Top Layer "TG2" (solid, pour order 61): 4403,513 4403,585 4394,594 4394,626 4456,626 4456,614 4471,599 4473,597 4473,513 4403,513
GND on Top Layer "TG1" (solid, pour order 57): 4394,716 4394,753 4408,767 4408,833 4510,833 4510,763 4475,728 4461,728 4456,723 4456,716 4394,716
VCC1V2 on Top Layer "T1V2" (solid, pour order 51): 0,1475 3350,1475 3350,25 0,25 0,1475
NetC5_1 on Top Layer "NetC5_1" (solid, pour order 43): 3465,1200 3450,1215 3450,1460 3465,1475 4600,1475 4615,1460 4615,1155 4600,1140 4335,1140 4320,1155 4310,1165 4310,1185 4295,1200 4290,1200 3465,1200
GND on Top Layer "TG3" (solid, pour order 45): 3910,1190 3895,1175 3895,1165 3895,1105 3900,1100 3910,1090 3980,1090 4120,1090 4125,1085 4130,1080 4130,670 4130,655 4120,645 4010,645 3995,645 3985,635 3985,465 3985,450 3995,440 4045,440 4055,450 4060,455 4060,480 4080,500 4175,500 4210,500 4225,515 4225,590 4225,665 4235,675 4250,690 4250,730 4260,740 4305,740 4315,740 4330,755 4330,835 4355,860 4440,860 4540,860 4555,875 4555,1095 4530,1120 4520,1130 4330,1130 4300,1160 4300,1180 4290,1190 4285,1190 3910,1190
NetC10_1 on Top Layer "NetC10_1" (solid, pour order 48): 3465,1175.09 3450,1160.37 3410,1121.12 3410,939.58 3410,821.82 3425,807.1 3475,758.04 3855,758.04 3890,723.69 3890,684.44 3920,655 3995,655 4105,655 4120,669.72 4120,1062.24 4110,1072.06 3905,1072.06 3885,1091.68 3885,1165.28 3870,1180 3470,1180 3465,1175.09
VCC1V2 on Top Layer "T1V2_2" (solid, pour order 53): 3335,1475 3365,1475 3380,1460 3380,840 3410,810 3470,750 3505,750 3850,750 3880,720 3880,680 3915,645 3965,645 3975,635 3975,445 3985,435 3990,430 4040,430 4050,430 4065,445 4070,450 4070,470 4070,475 4085,490 4210,490 4225,475 4225,280 4210,265 4205,260 3375,260 3360,245 3360,80 3360,35 3350,25 3335,25 3335,1475
VCC1V2 on Top Layer "T1V2_2" (solid, pour order 52): 3335,2975 3365,2975 3380,2960 3380,2340 3410,2310 3470,2250 3505,2250 3850,2250 3880,2220 3880,2180 3915,2145 3965,2145 3975,2135 3975,1945 3985,1935 3990,1930 4040,1930 4050,1930 4065,1945 4070,1950 4070,1970 4070,1975 4085,1990 4210,1990 4225,1975 4225,1780 4210,1765 4205,1760 3375,1760 3360,1745 3360,1580 3360,1535 3350,1525 3335,1525 3335,2975
NetC10_1 on Top Layer "NetC10_1" (solid, pour order 47): 3465,2685 3450,2670 3410,2630 3410,2445 3410,2325 3425,2310 3475,2260 3855,2260 3890,2225 3890,2185 3920,2155 3995,2155 4105,2155 4120,2170 4120,2570 4110,2580 3905,2580 3885,2600 3885,2675 3870,2690 3470,2690 3465,2685
GND on Top Layer "TG3" (solid, pour order 44): 3910,2690 3895,2675 3895,2665 3895,2605 3900,2600 3910,2590 3980,2590 4120,2590 4125,2585 4130,2580 4130,2170 4130,2155 4120,2145 4010,2145 3995,2145 3985,2135 3985,1965 3985,1950 3995,1940 4045,1940 4055,1950 4060,1955 4060,1980 4080,2000 4175,2000 4210,2000 4225,2015 4225,2090 4225,2165 4235,2175 4250,2190 4250,2230 4260,2240 4305,2240 4315,2240 4330,2255 4330,2335 4355,2360 4440,2360 4540,2360 4555,2375 4555,2595 4530,2620 4520,2630 4330,2630 4300,2660 4300,2680 4290,2690 4285,2690 3910,2690
NetC5_1 on Top Layer "NetC5_1" (solid, pour order 42): 3465,2700 3450,2715 3450,2960 3465,2975 4600,2975 4615,2960 4615,2655 4600,2640 4335,2640 4320,2655 4310,2665 4310,2685 4295,2700 4290,2700 3465,2700
VCC1V2 on Top Layer "T1V2" (solid, pour order 50): 0,2975 3350,2975 3350,1525 0,1525 0,2975
GND on Top Layer "TG1" (solid, pour order 56): 4394,2216 4394,2253 4408,2267 4408,2333 4510,2333 4510,2263 4475,2228 4461,2228 4456,2223 4456,2216 4394,2216
GND on Top Layer "TG2" (solid, pour order 60): 4403,2013 4403,2085 4394,2094 4394,2126 4456,2126 4456,2114 4471,2099 4473,2097 4473,2013 4403,2013
GND on Mid-Layer 1 "M1G1" (solid, remove dead copper, pour order 55): 0,1500 0,0 5250,0 5250,1500 0,1500
GND on Mid-Layer 1 "M1G1" (solid, remove dead copper, pour order 54): 0,3000 0,1500 5250,1500 5250,3000 0,3000
GND on Bottom Layer "BG1" (solid, pour order 59): 0,1500 0,0 5250,0 5250,1500 0,1500
GND on Bottom Layer "BG1" (solid, pour order 58): 0,3000 0,1500 5250,1500 5250,3000 0,3000

## Keep-outs
Keep-Out Layer:
  lines w10: 0,0 5250,0 5250,1500 5250,3000 0,3000 0,1500 0,0

## Other copper
Top Layer:
  rectangle net NetQ1_4: 3851,1118 3879,1171
  rectangle net NetQ1_4: 3631,1118 3659,1171
  rectangle net AVCC1V2: 4454,275 4577,360
  rectangle net VCC3V3: 4455,375 4577,460
  rectangle net GND: 4675,1160 5225,1220.47
  rectangle net VCC12V: 4675,1250 5225,1474
  rectangle net GND: 3370,25 4225,235
  rectangle net GND: 4925,550 5225,1150
  rectangle net VCC3V3: 4765,475 5230,540
  rectangle net VCC3V3: 4765,1975 5230,2040
  rectangle net GND: 4925,2050 5225,2650
  rectangle net GND: 3370,1525 4225,1735
  rectangle net VCC12V: 4675,2750 5225,2974
  rectangle net GND: 4675,2660 5225,2720.47
  rectangle net VCC3V3: 4455,1875 4577,1960
  rectangle net AVCC1V2: 4454,1775 4577,1860
  rectangle net NetQ1_4: 3631,2618 3659,2671
  rectangle net NetQ1_4: 3851,2618 3879,2671
  pour cut-out: 0,660 100,660 100,400 0,400
  pour cut-out: 2685,1290 3015,1290 3015,960 2685,960
  pour cut-out: 2085,1290 2415,1290 2415,960 2085,960
  pour cut-out: 1485,1290 1815,1290 1815,960 1485,960
  pour cut-out: 885,1290 1215,1290 1215,960 885,960
  pour cut-out: 285,1290 615,1290 615,960 285,960
  pour cut-out: 615,210 285,210 285,540 615,540
  pour cut-out: 1215,210 885,210 885,540 1215,540
  pour cut-out: 1815,210 1485,210 1485,540 1815,540
  pour cut-out: 2415,210 2085,210 2085,540 2415,540
  pour cut-out: 3015,210 2685,210 2685,540 3015,540
  pour cut-out: 3015,1710 2685,1710 2685,2040 3015,2040
  pour cut-out: 2415,1710 2085,1710 2085,2040 2415,2040
  pour cut-out: 1815,1710 1485,1710 1485,2040 1815,2040
  pour cut-out: 1215,1710 885,1710 885,2040 1215,2040
  pour cut-out: 615,1710 285,1710 285,2040 615,2040
  pour cut-out: 285,2790 615,2790 615,2460 285,2460
  pour cut-out: 885,2790 1215,2790 1215,2460 885,2460
  pour cut-out: 1485,2790 1815,2790 1815,2460 1485,2460
  pour cut-out: 2085,2790 2415,2790 2415,2460 2085,2460
  pour cut-out: 2685,2790 3015,2790 3015,2460 2685,2460
  pour cut-out: 0,2160 100,2160 100,1900 0,1900
  text "1" at 20,2135 h35 r270
  text "1" at 20,635 h35 r270
Mid-Layer 1:
  pour cut-out: 3470,1050 ccw(c3470,990) 3410,990 3410,820 ccw(c3470,820) 3470,760 3847.28,760 ccw(c3847.28,802.72) 3890,802.72 3890,1000 ccw(c3840,1000) 3840,1050
  pour cut-out: 0,660 100,660 100,400 0,400
  pour cut-out: 0,2160 100,2160 100,1900 0,1900
  pour cut-out: 3470,2550 ccw(c3470,2490) 3410,2490 3410,2320 ccw(c3470,2320) 3470,2260 3847.28,2260 ccw(c3847.28,2302.72) 3890,2302.72 3890,2500 ccw(c3840,2500) 3840,2550
  text "2" at 20,2095 h35 r270
  text "2" at 20,595 h35 r270
Mid-Layer 2:
  region net GND: 2960,1235 2740,1235 2740,1015 2960,1015
  region net GND: 2360,1235 2140,1235 2140,1015 2360,1015
  region net GND: 1760,1235 1540,1235 1540,1015 1760,1015
  region net GND: 1160,1235 940,1235 940,1015 1160,1015
  region net GND: 560,1235 340,1235 340,1015 560,1015
  rectangle net GND: 340,265 560,485
  rectangle net GND: 940,265 1160,485
  rectangle net GND: 1540,265 1760,485
  rectangle net GND: 2140,265 2360,485
  rectangle net GND: 2740,265 2960,485
  rectangle net GND: 2740,1765 2960,1985
  rectangle net GND: 2140,1765 2360,1985
  rectangle net GND: 1540,1765 1760,1985
  rectangle net GND: 940,1765 1160,1985
  rectangle net GND: 340,1765 560,1985
  region net GND: 560,2735 340,2735 340,2515 560,2515
  region net GND: 1160,2735 940,2735 940,2515 1160,2515
  region net GND: 1760,2735 1540,2735 1540,2515 1760,2515
  region net GND: 2360,2735 2140,2735 2140,2515 2360,2515
  region net GND: 2960,2735 2740,2735 2740,2515 2960,2515
  pour cut-out: 0,660 100,660 100,400 0,400
  pour cut-out: 0,2160 100,2160 100,1900 0,1900
  text "3" at 20,2030 h35 r270
  text "3" at 20,530 h35 r270
Bottom Layer:
  pour cut-out: 0,660 100,660 100,400 0,400
  pour cut-out: 0,2160 100,2160 100,1900 0,1900
  text "4" at 20,1960 h35 r270
  text "4" at 20,460 h35 r270

## Silkscreen, mask and mechanical layers (free items; w line width, h text height)
Top Overlay:
  text "Avalon Project" at 3480,2915 h65
  text "2.1b" at 4320,2840 h35
  text "+" at 2040,2080 h40 r180
  text "+" at 4180,1960 h40
  text "+" at 3360,1920 h40
  text "Avalon Project" at 3480,1415 h65
  text "2.1b" at 4320,1340 h35
  text "+" at 2040,580 h40 r180
  text "+" at 4180,460 h40
  text "+" at 3360,420 h40
Top Paste:
  lines w30: 3940,1305 4185,1305 ; 3940,1350 4125,1350 4185,1350 ; 3940,2805 4185,2805 ; 3940,2850 4125,2850 4185,2850
  lines w40: 4236,775 4270,775 4270,1065 ccw(c4240,1065) 4240,1095 ; 4236,2275 4270,2275 4270,2565 ccw(c4240,2565) 4240,2595
Top Solder:
  lines w30: 3940,1305 4185,1305 ; 3940,1350 4125,1350 4185,1350 ; 3940,2805 4185,2805 ; 3940,2850 4125,2850 4185,2850
  lines w40: 4236,775 4270,775 4270,1065 ccw(c4240,1065) 4240,1095 ; 4236,2275 4270,2275 4270,2565 ccw(c4240,2565) 4240,2595
Bottom Solder:
  rectangle: 310,985 590,1265
  rectangle: 910,985 1190,1265
  rectangle: 1510,985 1790,1265
  rectangle: 2110,985 2390,1265
  rectangle: 2710,985 2990,1265
  region: 2990,515 2710,515 2710,235 2990,235
  region: 2390,515 2110,515 2110,235 2390,235
  region: 1790,515 1510,515 1510,235 1790,235
  region: 1190,515 910,515 910,235 1190,235
  region: 590,515 310,515 310,235 590,235
  region: 590,2015 310,2015 310,1735 590,1735
  region: 1190,2015 910,2015 910,1735 1190,1735
  region: 1790,2015 1510,2015 1510,1735 1790,1735
  region: 2390,2015 2110,2015 2110,1735 2390,1735
  region: 2990,2015 2710,2015 2710,1735 2990,1735
  rectangle: 2710,2485 2990,2765
  rectangle: 2110,2485 2390,2765
  rectangle: 1510,2485 1790,2765
  rectangle: 910,2485 1190,2765
  rectangle: 310,2485 590,2765

## Text inside footprints (layer, text, board x,y; h text height)
C5: Top Overlay "+" at 4373,1270 h35 r180
C5: Top Overlay "+" at 4373,2770 h35 r180
C11: Top Overlay "+" at 4008,430 h35 r180
C11: Top Overlay "+" at 4008,1930 h35 r180
C12: Top Overlay "+" at 3648,430 h40 r180
C12: Top Overlay "+" at 3648,1930 h40 r180
U1: Top Overlay "1" at 4453,613 h50 r270
U1: Top Overlay "1" at 4453,2113 h50 r270